# KiCad board control.kicad_pcb (continued)
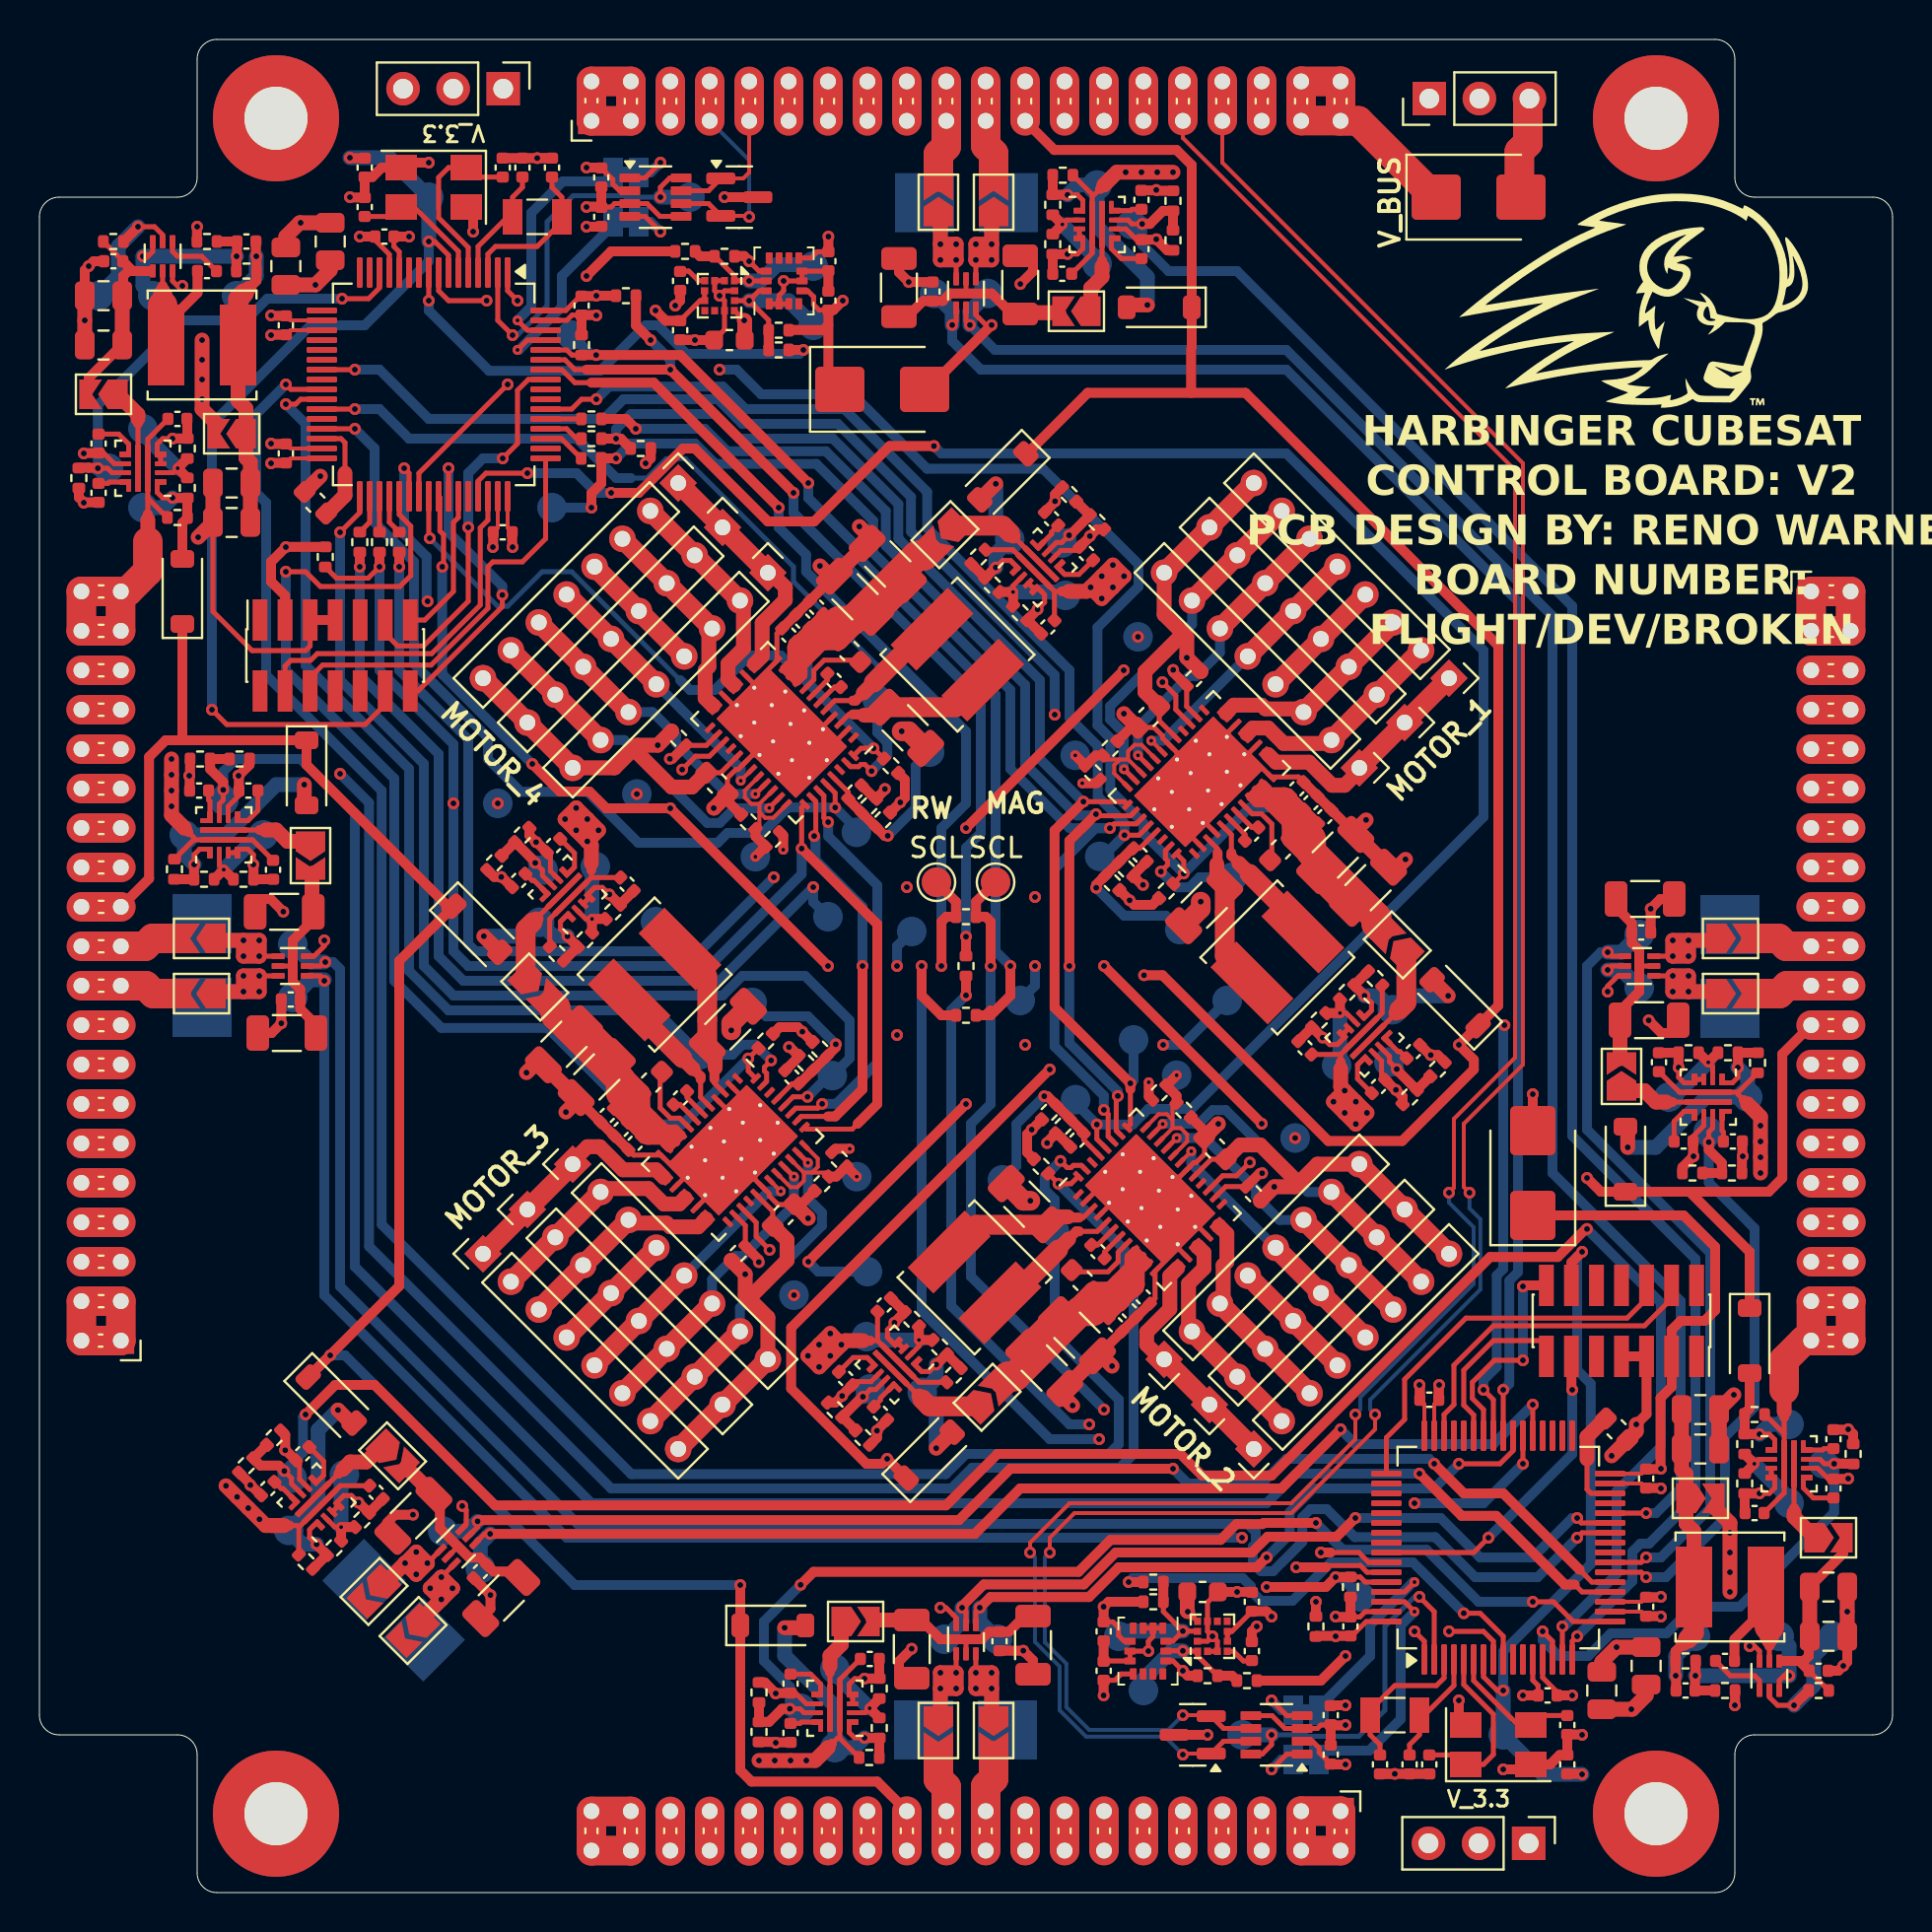
[diagram p0: board, top side]
## Routing (per net, layer and track width the routed paths; a pad name or vN(x,y) marks a point on that pad's centre or on a via; arc(x,y) is an arc through that point) (continued)
/REACTION WHEELS/PB9: length 12.6
  Top w0.25: v2(24.25,79.75) 24.75,79.25 U25.62
  Bottom w0.5: JP23.1 29.1,86.9 29,86.8 26.55,86.8 24.95,85.2 24.95,80.45 v2(24.25,79.75)
/REACTION WHEELS/PB13: length 2
  Top w0.25: R11.1 16.75,69.51 U25.34
/REACTION WHEELS/PB14: length 1.8
  Top w0.25: U25.35 R9.1
/REACTION WHEELS/PB15: length 2
  Top w0.25: U25.36 17.75,69.51 R10.1
/REACTION WHEELS/PC0: length 14.2
  Top w0.25: v1(22.68,80.75) 20.75,80.75 20.25,81.25 20.25,82.25
  Top w0.5: R19.1 29,83.25 v1(27.75,82)
  In1.Cu w0.5: v1(22.68,80.75) 23.93,82 v1(27.75,82)
/REACTION WHEELS/PC1: length 24.6
  Top w0.25: v1(19.75,80.75) U25.9
  Top w0.5: v1(38.75,78.25) R20.1
  Bottom w0.5: v1(19.75,80.75) 19.75,80.25 22.81,77.19 28.44,77.19 30.75,79.5 31.38,79.5 32.83,78.05 38.55,78.05 v1(38.75,78.25)
/REACTION WHEELS/PC10: length 2.2
  Top w0.25: R14.1 26.48,73.75 U25.51
/REACTION WHEELS/PC11: length 2
  Top w0.25: U25.52 26.74,74.25 27.24,73.75 R12.1
/REACTION WHEELS/PC12: length 1.8
  Top w0.25: U25.53 R13.1
/REACTION WHEELS/PC13: length 19.7
  Top w0.25: v1(24,79) 23.25,79.75 U25.2 ; v1(31.5,86) 31.5,86.5 31.98,86.97 U26.8
  Bottom w0.25: v1(31.5,86) 29.75,86 29.68,86.08 27.07,86.08 25.75,84.75 25.75,80.5 24.25,79 v1(24,79)
  Bottom w0.75: v1(31.5,86) TP95.1
/REACTION WHEELS/PC14: length 7.6
  Top w0.25: Y2.2 26.5,86 26,86.5 C113.1 ; 26.5,84.75 25.25,83.5 23.14,83.5 22.75,83.11 U25.3
/REACTION WHEELS/PC15: length 5.9
  Top w0.25: C112.1 24.5,86.5 24,86 Y2.1 23.75,85 22.25,83.5 U25.4
/REACTION WHEELS/PH0: length 9.1
  Top w0.25: U25.5 21.75,83.45 20.25,84.95 20.25,87 20.75,87.5 Y1.1 22.13,87.02 C114.1
/REACTION WHEELS/PH1: length 6.5
  Top w0.25: U25.6 21.25,83.25 19,85.5 18.77,85.5 ; C115.2 17.87,85.02 Y1.3
/REACTION WHEELS/PH3: length 50.5
  Top w0.25: R99.1 27.01,77.99 26.75,78.25 U25.60
  Top w0.5: v1(49.25,47) 49.25,45.5 48.25,44.5 R4.2 47.52,44.51 ; 47.99,44.5 48.24,44.75 ; v1(39,71.5) 32.51,77.99 v1(28.24,77.99) R99.1
  Bottom w0.5: v1(28.24,77.99) 28.01,77.99 TP94.1 ; v1(39,71.5) 39,70.74 41.5,68.24 41.5,67.75 48.5,60.75 48.5,47.75 v1(49.25,47)
/REACTION WHEELS/REACTION_WHEEL_1/BLDC_MOTOR_DRIVER/HALL.A: length 14.3
  Top w0.2: v2(56.4,58.43) U4.27
  Top w1: J8.5 J9.5
  Bottom w0.5: 61.29,62.34 J8.5 57.01,58.43 v2(56.4,58.43)
/REACTION WHEELS/REACTION_WHEEL_1/BLDC_MOTOR_DRIVER/HALL.B: length 17.8
  Top w0.25: U4.31 v2(55.02,56.98)
  Top w1: J8.7 J9.7
  Bottom w0.5: J8.7 58.46,64.33 54.31,60.18 54.31,59.51 55,58.82 55,57 v2(55.02,56.98)
/REACTION WHEELS/REACTION_WHEEL_1/BLDC_MOTOR_DRIVER/HALL.C: length 15.6
  Top w0.25: U4.29 v2(55.72,57.69)
  Top w1: J8.6 J9.6
  Bottom w0.5: v2(55.72,57.69) 55.72,59.12 58.32,61.71 58.69,61.71 59.88,62.9 J8.6
/REACTION WHEELS/REACTION_WHEEL_1/BLDC_MOTOR_DRIVER/HALL.N: length 8.2
  Top w0.2: U4.28 55.9,58.22 55.55,58.22 55.22,57.89 55.22,57.48 ; 54.81,57.48 54.15,57.48 R25.1 ; 54.81,57.48 55.22,57.48 ; 54.81,57.48 54.52,57.19 54.52,56.77 U4.32 ; 55.22,57.48 U4.30
  Top w0.5: R25.1 53.58,57.68 R24.2 v2(52.54,57.69)
/REACTION WHEELS/REACTION_WHEEL_1/BLDC_MOTOR_DRIVER/ILIM: length 9.5
  Top w0.25: 55.57,53.05 C10.1 55.82,52.97 U4.37
  Top w0.5: v1(53.6,50.97) 53.6,51.13 R26.2 R27.1 55.45,52.97 C10.1
  Bottom w0.5: v1(53.6,50.97) 55.02,49.55 57.14,49.55 TP18.1
/REACTION WHEELS/REACTION_WHEEL_1/BLDC_MOTOR_DRIVER/MOTOR.A: length 12.6
  Top w0.289: U4.14 U4.13
  Top w0.75: 67.02,56.98 66.21,56.17 65.57,56.17 64.4,57.34 62.72,57.34 62.33,57.73
  Top w1: J8.1 J9.1
/REACTION WHEELS/REACTION_WHEEL_1/BLDC_MOTOR_DRIVER/MOTOR.B: length 11.8
  Top w0.289: U4.17 U4.16
  Top w0.75: 61.25,58.77 61.55,59.07 62.33,59.07 63.11,58.29 65.5,58.29 65.61,58.39
  Top w1: J8.2 J9.2
/REACTION WHEELS/REACTION_WHEEL_1/BLDC_MOTOR_DRIVER/MOTOR.C: length 11.2
  Top w0.289: U4.20 U4.19
  Top w0.75: 60.19,59.83 60.59,60.23 62,60.23 62.19,60.04 63.96,60.04 J8.3
  Top w1: J8.3 J9.3
/REACTION WHEELS/REACTION_WHEEL_1/BLDC_MOTOR_DRIVER/V_AVDD: length 39.1
  Top w0.25: U4.25 56.8,59.44 C18.1
  Top w0.5: R24.1 53.61,56.27 v2(52.9,56.27) ; R28.1 56.45,50.1 55.53,50.1 v1(55.3,50.33) R26.1
  Top w0.75: R29.1 58.9,61.94 v1(58.2,62.64) 58.2,63.68 57.05,64.83 J8.8 ; 58.02,63.87 56.08,61.93 56.08,60.9 C18.1
  Top w1: J8.8 J9.8
  In2.Cu w0.75: v1(55.3,50.33) 55.15,50.48 55.15,51.45 55.86,52.16 55.86,53.98 53.57,56.27 v2(52.9,56.27) 53,56.27 58.33,61.6 58.33,62.5 v1(58.2,62.64)
/REACTION WHEELS/REACTION_WHEEL_1/BLDC_MOTOR_DRIVER/V_IN: length 22.1
  Top w0.5: 62.27,55.39 62.17,55.29 61.76,55.29 61.47,55.58 U4.10 ; 62.27,55.39 U4.10 ; 62.27,55.39 62.27,55.99 62.07,56.18 U4.10 ; 63.27,55.47 63.18,55.39
  Top w1: 64.86,51.41 C13.1 ; 63.52,54.36 62.31,55.57 62.27,55.57 63.15,55.57 64.51,54.2 64.51,51.76 C14.1 64.69,52.29 C16.1 63.52,54.36
  Top w1.5: 68.01,48.94 67.82,49.13 67.82,49.48 64.51,52.79 64.51,53.44
/REACTION WHEELS/REACTION_WHEEL_1/EFUSE_LATCHED/DVDT: length 2.1
  Top w0.25: U1.7 66.86,41.99 66.86,41.27 C3.1
/REACTION WHEELS/REACTION_WHEEL_1/EFUSE_LATCHED/I_LIM: length 4.5
  Top w0.25: U1.9 68.48,42.42 68.48,42.14 v1(68.85,41.77)
  Top w0.5: v1(68.85,41.77) 68.85,41.73 R47.2 R46.2
  Bottom w0.75: v1(68.85,41.77) 68.81,41.77 TP3.1
/REACTION WHEELS/REACTION_WHEEL_1/EFUSE_LATCHED/ITIMER: length 1.4
  Top w0.25: C2.1 69.01,42.66 68.91,42.66 U1.10
/REACTION WHEELS/REACTION_WHEEL_1/EFUSE_LATCHED/OVLO: length 5.1
  Top w0.25: U1.2 66.29,44.61 v2(65.97,44.61)
  Top w0.5: R8.1 v2(65.97,44.61) R7.2
  Bottom w0.75: v2(65.97,44.61) 65.97,42.12 TP2.1
/REACTION WHEELS/REACTION_WHEEL_1/EFUSE_LATCHED/UVLO: length 9
  Top w0.25: v1(67.21,45.49) 67.57,45.14 67.57,44.75 U1.1
  Top w0.5: R6.2 R7.1 67.21,45.5 v1(67.21,45.49)
  Top w0.75: v1(71.46,45.49) D10.2
  Bottom w0.75: v1(67.21,45.49) 67.92,45.49 TP1.1 69.34,45.49 v1(71.46,45.49)
/REACTION WHEELS/REACTION_WHEEL_1/EFUSE_LATCHED/V_OUT: length 5.7
  Top w0.25: 68.81,44.61 U1.6
  Top w0.75: 69.34,45.14 68.81,44.61
  Top w1: 68.98,44.78 69.34,45.14 69.34,47.5 JP13.1
/REACTION WHEELS/REACTION_WHEEL_2/BLDC_MOTOR_DRIVER/HALL.A: length 14.3
  Top w0.2: v2(58.43,37.6) U12.27
  Top w1: J5.5 J6.5
  Bottom w0.5: 62.34,32.71 J5.5 58.43,36.99 v2(58.43,37.6)
/REACTION WHEELS/REACTION_WHEEL_2/BLDC_MOTOR_DRIVER/HALL.B: length 17.8
  Top w0.25: U12.31 v2(56.98,38.98)
  Top w1: J5.7 J6.7
  Bottom w0.5: J5.7 64.33,35.54 60.18,39.69 59.51,39.69 58.82,39 57,39 v2(56.98,38.98)
/REACTION WHEELS/REACTION_WHEEL_2/BLDC_MOTOR_DRIVER/HALL.C: length 15.6
  Top w0.25: U12.29 v2(57.69,38.28)
  Top w1: J5.6 J6.6
  Bottom w0.5: v2(57.69,38.28) 59.12,38.28 61.71,35.68 61.71,35.31 62.9,34.12 J5.6
/REACTION WHEELS/REACTION_WHEEL_2/BLDC_MOTOR_DRIVER/HALL.N: length 8.2
  Top w0.2: 57.48,38.78 57.89,38.78 58.22,38.45 58.22,38.1 U12.28 ; 57.48,38.78 57.48,39.19 ; 57.48,38.78 U12.30 ; R53.1 57.48,39.85 57.48,39.19 ; 57.48,39.19 57.19,39.48 56.77,39.48 U12.32
  Top w0.5: R53.1 57.68,40.42 R52.2 v2(57.69,41.46)
/REACTION WHEELS/REACTION_WHEEL_2/BLDC_MOTOR_DRIVER/ILIM: length 9.5
  Top w0.25: 53.05,38.43 C40.1 52.97,38.18 U12.37
  Top w0.5: C40.1 52.97,38.55 R55.1 R54.2 51.13,40.4 v1(50.97,40.4)
  Bottom w0.5: v1(50.97,40.4) 49.55,38.98 49.55,36.86 TP45.1
/REACTION WHEELS/REACTION_WHEEL_2/BLDC_MOTOR_DRIVER/MOTOR.A: length 12.6
  Top w0.289: U12.14 U12.13
  Top w0.75: 56.98,26.98 56.17,27.79 56.17,28.43 57.34,29.6 57.34,31.28 57.73,31.67
  Top w1: J5.1 J6.1
/REACTION WHEELS/REACTION_WHEEL_2/BLDC_MOTOR_DRIVER/MOTOR.B: length 11.8
  Top w0.289: U12.17 U12.16
  Top w0.75: 58.77,32.75 59.07,32.45 59.07,31.67 58.29,30.89 58.29,28.5 58.39,28.39
  Top w1: J5.2 J6.2
/REACTION WHEELS/REACTION_WHEEL_2/BLDC_MOTOR_DRIVER/MOTOR.C: length 11.2
  Top w0.289: U12.20 U12.19
  Top w0.75: 59.83,33.81 60.23,33.41 60.23,32 60.04,31.81 60.04,30.04 J5.3
  Top w1: J5.3 J6.3
/REACTION WHEELS/REACTION_WHEEL_2/BLDC_MOTOR_DRIVER/V_AVDD: length 39.1
  Top w0.25: U12.25 59.44,37.2 C48.1
  Top w0.5: v2(56.27,41.1) 56.27,40.39 R52.1 ; R54.1 v1(50.33,38.7) 50.1,38.47 50.1,37.55 R56.1
  Top w0.75: 63.87,35.98 61.93,37.92 60.9,37.92 C48.1 ; R57.1 61.94,35.1 v1(62.64,35.8) 63.68,35.8 64.83,36.95 J5.8
  Top w1: J5.8 J6.8
  In2.Cu w0.75: v1(50.33,38.7) 50.48,38.85 51.45,38.85 52.16,38.14 53.98,38.14 56.27,40.43 v2(56.27,41.1) 56.27,41 61.6,35.67 62.5,35.67 v1(62.64,35.8)
/REACTION WHEELS/REACTION_WHEEL_2/BLDC_MOTOR_DRIVER/V_IN: length 22.1
  Top w0.5: U12.10 55.39,31.73 ; U12.10 55.58,32.53 55.29,32.24 55.29,31.83 55.39,31.73 ; U12.10 56.18,31.93 55.99,31.73 55.39,31.73 ; 55.47,30.73 55.39,30.82
  Top w1: 51.41,29.14 C43.1 ; 54.36,30.48 55.57,31.69 55.57,31.73 55.57,30.85 54.2,29.49 51.76,29.49 C44.1 52.29,29.31 C46.1 54.36,30.48
  Top w1.5: 53.44,29.49 52.79,29.49 49.48,26.18 49.13,26.18 48.94,25.99
/REACTION WHEELS/REACTION_WHEEL_2/EFUSE_LATCHED/DVDT: length 2.1
  Top w0.25: U10.7 41.99,27.14 41.27,27.14 C36.1
/REACTION WHEELS/REACTION_WHEEL_2/EFUSE_LATCHED/I_LIM: length 4.5
  Top w0.25: U10.9 42.42,25.52 42.14,25.52 v1(41.77,25.15)
  Top w0.5: R41.2 R42.2 41.73,25.15 v1(41.77,25.15)
  Bottom w0.75: v1(41.77,25.15) 41.77,25.19 TP41.1
/REACTION WHEELS/REACTION_WHEEL_2/EFUSE_LATCHED/ITIMER: length 1.4
  Top w0.25: C35.1 42.66,24.99 42.66,25.09 U10.10
/REACTION WHEELS/REACTION_WHEEL_2/EFUSE_LATCHED/OVLO: length 5.1
  Top w0.25: v2(44.61,28.03) 44.61,27.71 U10.2
  Top w0.5: R44.2 v2(44.61,28.03) R45.1
  Bottom w0.75: TP40.1 42.12,28.03 v2(44.61,28.03)
/REACTION WHEELS/REACTION_WHEEL_2/EFUSE_LATCHED/UVLO: length 9
  Top w0.25: U10.1 44.75,26.43 45.14,26.43 v1(45.49,26.79)
  Top w0.5: R43.2 R44.1 45.5,26.79 v1(45.49,26.79)
  Top w0.75: v1(45.49,22.54) D9.2
  Bottom w0.75: v1(45.49,22.54) 45.49,24.66 TP39.1 45.49,26.08 v1(45.49,26.79)
/REACTION WHEELS/REACTION_WHEEL_2/EFUSE_LATCHED/V_OUT: length 5.7
  Top w0.25: 44.61,25.19 U10.6
  Top w0.75: 45.14,24.66 44.61,25.19
  Top w1: 44.78,25.02 45.14,24.66 47.5,24.66 JP12.1
/REACTION WHEELS/REACTION_WHEEL_3/BLDC_MOTOR_DRIVER/HALL.A: length 14.3
  Top w0.2: v2(37.6,35.57) U14.27
  Top w1: J11.5 J12.5
  Bottom w0.5: v2(37.6,35.57) 36.99,35.57 J11.5 32.71,31.66
/REACTION WHEELS/REACTION_WHEEL_3/BLDC_MOTOR_DRIVER/HALL.B: length 17.8
  Top w0.25: U14.31 v2(38.98,37.02)
  Top w1: J11.7 J12.7
  Bottom w0.5: J11.7 35.54,29.67 39.69,33.82 39.69,34.49 38.98,35.2 v2(38.98,37.02)
/REACTION WHEELS/REACTION_WHEEL_3/BLDC_MOTOR_DRIVER/HALL.C: length 15.6
  Top w0.25: U14.29 v2(38.28,36.31)
  Top w1: J11.6 J12.6
  Bottom w0.5: v2(38.28,36.31) 38.28,34.88 35.68,32.29 35.31,32.29 34.12,31.1 J11.6
/REACTION WHEELS/REACTION_WHEEL_3/BLDC_MOTOR_DRIVER/HALL.N: length 8.2
  Top w0.2: 39.19,36.52 39.85,36.52 R64.1 ; 39.19,36.52 38.78,36.52 ; 39.19,36.52 39.48,36.81 39.48,37.23 U14.32 ; 38.78,36.52 38.78,36.11 38.45,35.78 38.1,35.78 U14.28 ; 38.78,36.52 U14.30
  Top w0.5: v2(41.46,36.31) R63.2 40.42,36.32 R64.1
/REACTION WHEELS/REACTION_WHEEL_3/BLDC_MOTOR_DRIVER/ILIM: length 9.5
  Top w0.25: 38.43,40.95 C53.1 38.18,41.03 U14.37
  Top w0.5: C53.1 38.55,41.03 R66.1 R65.2 40.4,42.87 v1(40.4,43.03)
  Bottom w0.5: TP54.1 36.86,44.45 38.98,44.45 v1(40.4,43.03)
/REACTION WHEELS/REACTION_WHEEL_3/BLDC_MOTOR_DRIVER/MOTOR.A: length 12.6
  Top w0.289: U14.14 U14.13
  Top w0.75: 31.67,36.27 31.28,36.66 29.6,36.66 28.43,37.83 27.79,37.83 26.98,37.02
  Top w1: J11.1 J12.1
/REACTION WHEELS/REACTION_WHEEL_3/BLDC_MOTOR_DRIVER/MOTOR.B: length 11.8
  Top w0.289: U14.17 U14.16
  Top w0.75: 32.75,35.23 32.45,34.93 31.67,34.93 30.89,35.71 28.5,35.71 28.39,35.61
  Top w1: J11.2 J12.2
/REACTION WHEELS/REACTION_WHEEL_3/BLDC_MOTOR_DRIVER/MOTOR.C: length 11.2
  Top w0.289: U14.20 U14.19
  Top w0.75: 33.81,34.17 33.41,33.77 32,33.77 31.81,33.96 30.04,33.96 J11.3
  Top w1: J11.3 J12.3
/REACTION WHEELS/REACTION_WHEEL_3/BLDC_MOTOR_DRIVER/V_AVDD: length 39.1
  Top w0.25: U14.25 37.2,34.56 C61.1
  Top w0.5: v2(41.1,37.73) 40.39,37.73 R63.1 ; R65.1 v1(38.7,43.67) 38.47,43.9 37.55,43.9 R67.1
  Top w0.75: J11.8 36.95,29.17 35.8,30.32 v1(35.8,31.36) 35.1,32.06 R68.1 ; C61.1 37.92,33.1 37.92,32.07 35.98,30.13
  Top w1: J11.8 J12.8
  In2.Cu w0.75: v1(35.8,31.36) 35.67,31.5 35.67,32.4 41,37.73 v2(41.1,37.73) 40.43,37.73 38.14,40.02 38.14,41.84 38.85,42.55 38.85,43.52 v1(38.7,43.67)
/REACTION WHEELS/REACTION_WHEEL_3/BLDC_MOTOR_DRIVER/V_IN: length 22.1
  Top w0.5: 31.73,38.61 31.73,38.01 31.93,37.82 U14.10 ; 31.73,38.61 31.83,38.71 32.24,38.71 32.53,38.42 U14.10 ; 31.73,38.61 U14.10 ; 30.73,38.53 30.82,38.61
  Top w1: 29.14,42.59 C56.1 ; 31.69,38.43 31.73,38.43 30.85,38.43 29.49,39.8 29.49,42.24 C57.1 29.31,41.71 C59.1 30.48,39.64 31.69,38.43
  Top w1.5: 25.99,45.06 26.18,44.87 26.18,44.52 29.49,41.21 29.49,40.56
/REACTION WHEELS/REACTION_WHEEL_3/EFUSE_LATCHED/DVDT: length 2.1
  Top w0.25: C51.1 27.14,52.73 27.14,52.01 U13.7
/REACTION WHEELS/REACTION_WHEEL_3/EFUSE_LATCHED/I_LIM: length 4.5
  Top w0.25: v1(25.15,52.23) 25.52,51.86 25.52,51.58 U13.9
  Top w0.5: R58.2 R59.2 25.15,52.27 v1(25.15,52.23)
  Bottom w0.75: v1(25.15,52.23) 25.19,52.23 TP52.1
/REACTION WHEELS/REACTION_WHEEL_3/EFUSE_LATCHED/ITIMER: length 1.4
  Top w0.25: C50.1 24.99,51.34 25.09,51.34 U13.10
/REACTION WHEELS/REACTION_WHEEL_3/EFUSE_LATCHED/OVLO: length 5.1
  Top w0.25: v2(28.03,49.39) 27.71,49.39 U13.2
  Top w0.5: R61.2 v2(28.03,49.39) R62.1
  Bottom w0.75: v2(28.03,49.39) 28.03,51.88 TP51.1
/REACTION WHEELS/REACTION_WHEEL_3/EFUSE_LATCHED/UVLO: length 9
  Top w0.25: v1(26.79,48.51) 26.43,48.86 26.43,49.25 U13.1
  Top w0.5: v1(26.79,48.51) 26.79,48.5 R61.1 R60.2
  Top w0.75: v1(22.54,48.51) D11.2
  Bottom w0.75: v1(26.79,48.51) 26.08,48.51 TP50.1 24.66,48.51 v1(22.54,48.51)
/REACTION WHEELS/REACTION_WHEEL_3/EFUSE_LATCHED/V_OUT: length 5.7
  Top w0.25: 25.19,49.39 U13.6
  Top w0.75: 24.66,48.86 25.19,49.39
  Top w1: JP14.1 24.66,46.5 24.66,48.86 25.02,49.22
/REACTION WHEELS/REACTION_WHEEL_4/BLDC_MOTOR_DRIVER/HALL.A: length 14.3
  Top w0.2: v2(35.57,56.4) U17.27
  Top w1: J14.5 J15.5
  Bottom w0.5: 31.66,61.29 J14.5 35.57,57.01 v2(35.57,56.4)
/REACTION WHEELS/REACTION_WHEEL_4/BLDC_MOTOR_DRIVER/HALL.B: length 17.8
  Top w0.25: U17.31 v2(37.02,55.02)
  Top w1: J14.7 J15.7
  Bottom w0.5: J14.7 29.67,58.46 33.87,54.26 34.51,54.26 35.25,55 37,55 v2(37.02,55.02)
/REACTION WHEELS/REACTION_WHEEL_4/BLDC_MOTOR_DRIVER/HALL.C: length 15.6
  Top w0.25: U17.29 v2(36.31,55.72)
  Top w1: J14.6 J15.6
  Bottom w0.5: J14.6 31.1,59.88 32.29,58.69 32.29,58.32 34.88,55.72 v2(36.31,55.72)
/REACTION WHEELS/REACTION_WHEEL_4/BLDC_MOTOR_DRIVER/HALL.N: length 8.2
  Top w0.2: 36.52,54.81 36.52,55.22 ; 36.52,54.81 36.81,54.52 37.23,54.52 U17.32 ; 36.52,54.81 36.52,54.15 R75.1 ; 36.52,55.22 36.11,55.22 35.78,55.55 35.78,55.9 U17.28 ; 36.52,55.22 U17.30
  Top w0.5: v2(36.31,52.54) R74.2 36.32,53.58 R75.1
/REACTION WHEELS/REACTION_WHEEL_4/BLDC_MOTOR_DRIVER/ILIM: length 9.5
  Top w0.25: U17.37 41.03,55.82 C69.1 40.95,55.57
  Top w0.5: C69.1 41.03,55.45 R77.1 R76.2 42.87,53.6 v1(43.03,53.6)
  Bottom w0.5: v1(43.03,53.6) 44.45,55.02 44.45,57.14 TP65.1
/REACTION WHEELS/REACTION_WHEEL_4/BLDC_MOTOR_DRIVER/MOTOR.A: length 12.6
  Top w0.289: U17.14 U17.13
  Top w0.75: 37.02,67.02 37.83,66.21 37.83,65.57 36.66,64.4 36.66,62.72 36.27,62.33
  Top w1: J14.1 J15.1
/REACTION WHEELS/REACTION_WHEEL_4/BLDC_MOTOR_DRIVER/MOTOR.B: length 11.8
  Top w0.289: U17.17 U17.16
  Top w0.75: 35.61,65.61 35.71,65.5 35.71,63.11 34.93,62.33 34.93,61.55 35.23,61.25
  Top w1: J14.2 J15.2
/REACTION WHEELS/REACTION_WHEEL_4/BLDC_MOTOR_DRIVER/MOTOR.C: length 11.2
  Top w0.289: U17.20 U17.19
  Top w0.75: 34.17,60.19 33.77,60.59 33.77,62 33.96,62.19 33.96,63.96 J14.3
  Top w1: J14.3 J15.3
/REACTION WHEELS/REACTION_WHEEL_4/BLDC_MOTOR_DRIVER/V_AVDD: length 39.1
  Top w0.25: U17.25 34.56,56.8 C77.1
  Top w0.5: v2(37.73,52.9) 37.73,53.61 R74.1 ; R76.1 v1(43.67,55.3) 43.9,55.53 43.9,56.45 R78.1
  Top w0.75: C77.1 33.1,56.08 32.07,56.08 30.13,58.02 ; J14.8 29.17,57.05 30.32,58.2 v1(31.36,58.2) 32.06,58.9 R79.1
  Top w1: J14.8 J15.8
  In2.Cu w0.75: v1(43.67,55.3) 43.52,55.15 42.55,55.15 41.84,55.86 40.02,55.86 37.73,53.57 v2(37.73,52.9) 37.73,53 32.4,58.33 31.5,58.33 v1(31.36,58.2)
/REACTION WHEELS/REACTION_WHEEL_4/BLDC_MOTOR_DRIVER/V_IN: length 22.1
  Top w0.5: U17.10 37.82,62.07 38.01,62.27 38.61,62.27 ; U17.10 38.42,61.47 38.71,61.76 38.71,62.17 38.61,62.27 ; U17.10 38.61,62.27 ; 38.53,63.27 38.61,63.18
  Top w1: 42.59,64.86 C72.1 ; 39.85,63.52 39.64,63.52 38.43,62.31 38.43,62.27 38.43,63.15 39.8,64.51 42.24,64.51 C73.1 41.71,64.69 C75.1 39.85,63.52
  Top w1.5: 45.06,68.01 44.87,67.82 44.52,67.82 41.21,64.51 40.56,64.51
/REACTION WHEELS/REACTION_WHEEL_4/EFUSE_LATCHED/DVDT: length 2.1
  Top w0.25: C64.1 52.73,66.86 52.01,66.86 U15.7
/REACTION WHEELS/REACTION_WHEEL_4/EFUSE_LATCHED/I_LIM: length 4.5
  Top w0.25: v1(52.23,68.85) 51.86,68.48 51.58,68.48 U15.9
  Top w0.5: R69.2 R70.2 52.27,68.85 v1(52.23,68.85)
  Bottom w0.75: v1(52.23,68.85) 52.23,68.81 TP61.1
/REACTION WHEELS/REACTION_WHEEL_4/EFUSE_LATCHED/ITIMER: length 1.4
  Top w0.25: U15.10 51.34,68.91 51.34,69.01 C63.1
/REACTION WHEELS/REACTION_WHEEL_4/EFUSE_LATCHED/OVLO: length 5.1
  Top w0.25: v2(49.39,65.97) 49.39,66.29 U15.2
  Top w0.5: R73.1 v2(49.39,65.97) R72.2
  Bottom w0.75: TP60.1 51.88,65.97 v2(49.39,65.97)
/REACTION WHEELS/REACTION_WHEEL_4/EFUSE_LATCHED/UVLO: length 9
  Top w0.25: U15.1 49.25,67.57 48.86,67.57 v1(48.51,67.21)
  Top w0.5: R71.2 R72.1 48.5,67.21 v1(48.51,67.21)
  Top w0.75: v1(48.51,71.46) D12.2
  Bottom w0.75: v1(48.51,67.21) 48.51,67.92 TP59.1 48.51,69.34 v1(48.51,71.46)
/REACTION WHEELS/REACTION_WHEEL_4/EFUSE_LATCHED/V_OUT: length 5.7
  Top w0.25: 49.39,68.81 U15.6
  Top w0.75: 48.86,69.34 49.39,68.81
  Top w1: JP15.1 46.5,69.34 48.86,69.34 49.22,68.98
/REACTION WHEELS/SPI_2.CLK: length 70
  Top w0.15: U14.35 38.25,39.68 ; U17.35 39.68,55.75
  Top w0.25: U17.35 39.79,55.64 39.79,54.52 v1(40.01,54.3) ; U14.35 38.36,39.79 39.48,39.79 v1(39.7,40.01)
  Top w0.5: v1(16.25,67.25) R11.2
  In2.Cu w0.5: v1(39.25,51) 40.01,51.76 v1(40.01,54.3)
  Bottom w0.5: TP6.1 39.25,50.25 v1(39.25,51) 34.5,46.25 21.5,46.25 20.25,47.5 20.25,57.75 16.25,61.75 v1(16.25,67.25) ; v1(40.01,54.3) 40.01,53.59 42.5,51.09 42.5,42.09 40.41,40.01 v1(39.7,40.01)
/REACTION WHEELS/SPI_2.MISO: length 69.6
  Top w0.25: U17.33 38.66,55.03 v1(38.66,52.96) ; U14.33 38.91,38.72 41.22,38.72 41.5,39 ; v1(17.25,67.25) 16.68,66.67 15.07,66.67 R15.2
  Top w0.5: 41.5,39 42.5,40 42.5,49.12 v1(38.66,52.96) ; v1(17.25,67.25) R9.2
  In1.Cu w0.5: v1(23.25,55.25) v1(21,55.25)
  Bottom w0.5: v1(38.66,52.96) 38.66,51.66 34,47 21.75,47 21,47.75 v1(21,55.25) 21,58.25 17.25,62 v1(17.25,67.25)
/REACTION WHEELS/SPI_2.MOSI: length 63.8
  Top w0.25: 38.64,39.37 40,39.37 ; 38.64,39.37 U14.34 38.64,39.37 ; v1(39.3,53.59) 39.38,53.67 39.38,55.35 U17.34
  Top w0.5: 40,39.37 40.37,39.37 41.75,40.75 v1(41.75,47) ; v1(18.25,67.25) R10.2
  In1.Cu w0.5: v1(37.25,51.5) 38.25,51.5 39.36,52.61 39.36,53.53 v1(39.3,53.59)
  Bottom w0.5: 31.25,47.75 22.11,47.75 21.75,48.11 21.75,58.5 18.25,62 v1(18.25,67.25) ; 31.25,47.75 TP5.1 ; 31.25,47.75 33.5,47.75 v1(37.25,51.5) ; v1(39.3,53.59) 39.36,53.53 39.36,52.39 41.75,50 v1(41.75,47)
/REACTION WHEELS/SPI_3.CLK: length 63.1
  Top w0.15: U12.35 54.32,38.25 ; U4.35 55.75,54.32
  Top w0.25: U4.35 55.64,54.21 54.52,54.21 v1(54.3,53.99) ; U12.35 54.21,38.36 54.21,39.48 v1(53.99,39.7)
  Top w0.5: v1(29.25,72.75) R14.2 28.5,71.48 28,70.98 v1(28,70.25)
  Bottom w0.5: v1(29.25,72.75) 30,73.5 33.25,73.5 34.28,72.47 39.41,72.47 42.29,69.59 42.29,67.96 49.25,61 49.25,57 52.26,53.99 v1(54.3,53.99) 53.57,53.99 51.49,51.92 51.49,42.92 53.99,40.42 v1(53.99,39.7) ; v1(28,70.25) TP9.1